# Altium PCB jarvis_mini.PcbDoc
Units mil, origin at the board's own origin, x right, y up, seen from the top; angles counter-clockwise.
Board outline 900 x 2000 mil, 2 copper layers (Top Layer, Bottom Layer); 56 components, 48 nets, 190 pads, 41 vias.
Unrouted connection lines stored in the file: 8.
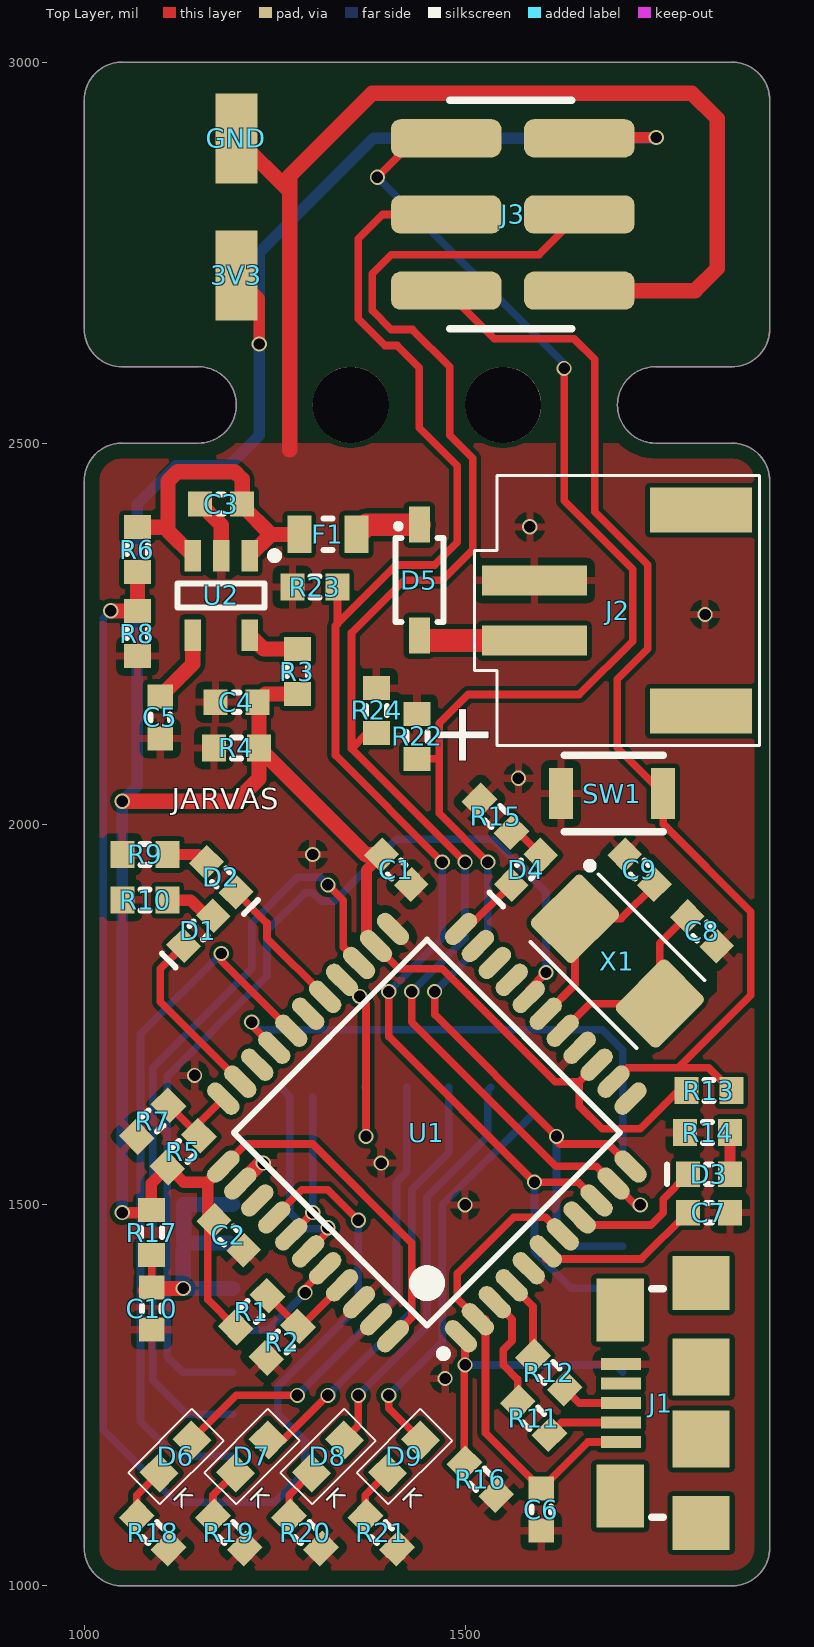
[diagram p0: Top Layer view]
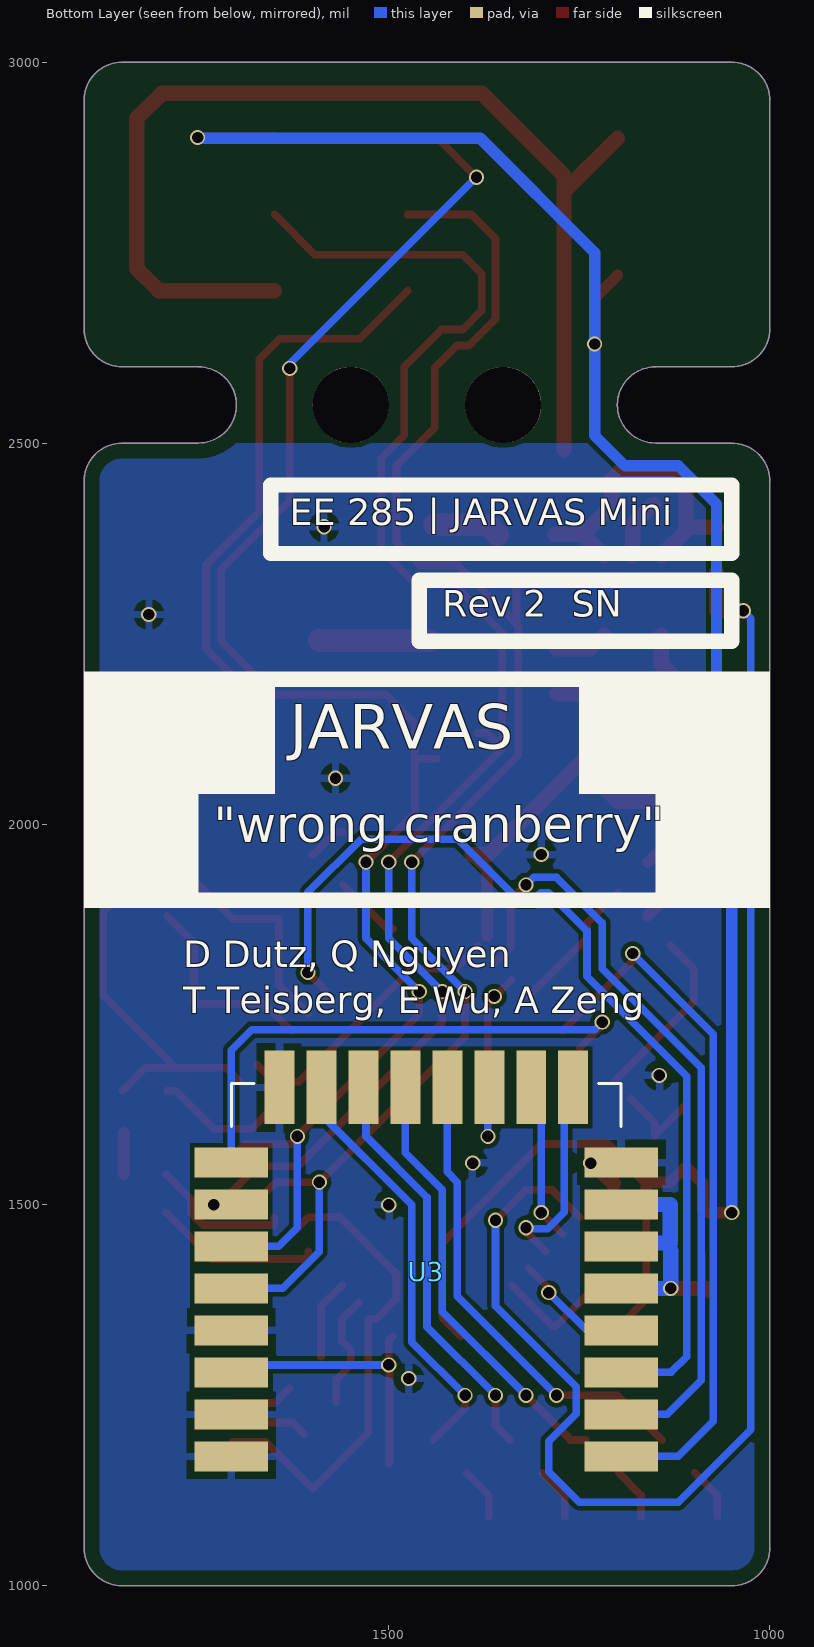
[diagram p1: Bottom Layer view, seen from below]
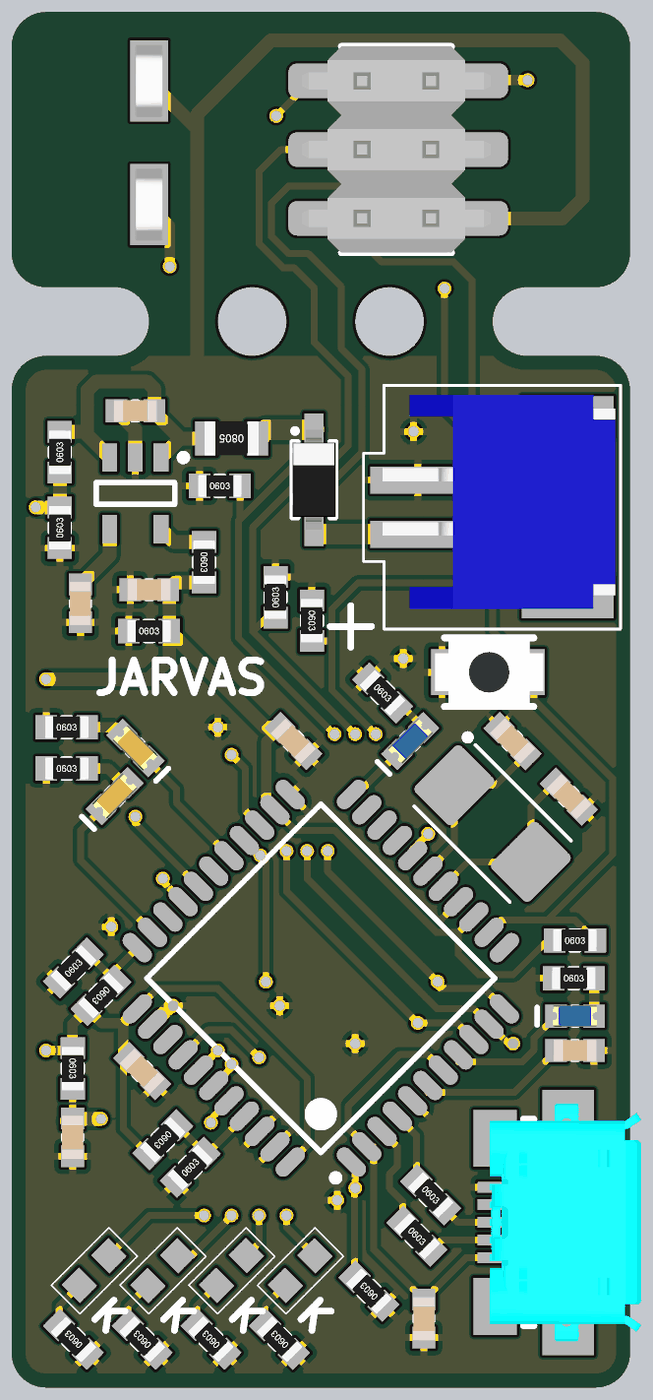
[diagram p2: 3D render of the assembled board from above, using the file's embedded part models]

## Layer stack, top to bottom
Top Solder: solder mask 0.4, Solder Resist, Dk 3.5
Top Layer: signal copper 1.4
Dielectric 1: dielectric 12.6, FR-4, Dk 4.8
Bottom Layer: signal copper 1.4
Bottom Solder: solder mask 0.4, Solder Resist, Dk 3.5

## Board outline
1050,1000 cw(c1050,1050) 1000,1050 1000,2450 cw(c1050,2450) 1050,2500 1150,2500 ccw(c1150,2550) 1200,2550 ccw(c1150,2550) 1150,2600 1050,2600 cw(c1050,2650) 1000,2650 1000,2950 cw(c1050,2950) 1050,3000 1850,3000 cw(c1850,2950) 1900,2950 1900,2650 cw(c1850,2650) 1850,2600 1750,2600 ccw(c1750,2550) 1700,2550 ccw(c1750,2550) 1750,2500 1850,2500 cw(c1850,2450) 1900,2450 1900,1050 cw(c1850,1050) 1850,1000

## Design rules (kind name [scope] priority, off if disabled: settings)
BoardOutlineClearance [All] p1: gap=20 ignorepadtopadclearanceinfootprint=FALSE
Clearance [All] p1: gap=6 ignorepadtopadclearanceinfootprint=FALSE except(0: Arc-Hole Track-Hole SMDPad-Hole THPad-Hole Via-Hole Fill-Hole Poly-Hole Region-Hole Text-Hole)
DiffPairsRouting [All] p1 off: maxlimit=10 minlimit=10 mostfreqgap=10 toplayer_minwidth=15 toplayer_maxwidth=15 toplayer_prefwidth=15 bottomlayer_minwidth=15 bottomlayer_maxwidth=15 bottomlayer_prefwidth=15 maxuncoupledlength=500
Height [All] p1 off: minheight=0 maxheight=1000 prefheight=500
HoleSize [All] p1: absolutevalues=TRUE maxlimit=1000 minlimit=10 maxpercent=80.000 minpercent=20.000
MatchedLengths DiffPair_MatchedLengths [InDifferentialPair ('USB')] p1: tolerance=1000 checknetsindiffpair=FALSE checkdiffpairvsdiffpair=TRUE checkxsignals=TRUE checkothers=TRUE
MaxMinImpedance [All] p1 off: minimum=1.000 maximum=100.0
MinimumSolderMaskSliver "M4 Exception" [InComponent('*1')] p1: minsoldermaskwidth=1 // Allows pins on the M4 to be close without errors
MinimumSolderMaskSliver [All] p2 off: minsoldermaskwidth=3.5
NetAntennae [All] p1: netantennaetolerance=15
PolygonConnect [All] p1: connectstyle=Relief reliefconductorwidth=10 reliefentries=4 polygonreliefangle="90 Angle" airgapwidth=10
RoutingVias [All] p1: holewidth=12 width=15 viastyle="Through Hole" minholewidth=12 minwidth=15 maxholewidth=15 maxwidth=20
SilkToSilkClearance [All] p1 off: silktosilkclearance=10
SilkToSolderMaskClearance [IsPad] p1 off: minsilkscreentomaskgap=10 clearancetoexposedcopper=TRUE
SolderMaskExpansion [All] p1: expansion=4
Width [(InDifferentialPairClass('All Differential Pairs'))] p1: maxlimit=10 minlimit=10 preferedwidth=10 impedancedriven=TRUE minimp=60.000000 maximp=60.000000 favimp=60.000000
Width Width_1 [All] p2: maxlimit=50 minlimit=6 preferedwidth=10
23 further rules are at their usual default settings.

## Components (designator, comment, footprint, x,y, rotation, side; value= is the part's Value field where it differs from the comment)
3V3 "TEST_KEYSTONE5015" TP_KEYSTONE_5015 1200,2720 r270 top
B1 "Banananannaa!" BANANA_OPEN 4550,3800 r270 bottom
C1 "__template_cap" C0603 1410,1940 r315 top
C2 "__template_cap" C0603 1190,1460 r315 top
C3 "__template_cap" C0603 1180,2420 r0 top
C4 "__template_cap" C0603 1200,2160 r0 top
C5 "__template_cap" C0603 1100,2140 r270 top
C6 "__template_cap" C0603 1600,1100 r270 top
C7 "__template_cap" C0603 1820,1490 r180 top
C8 "CAP_CER_8PF_100V" C0603 1811,1859 r315 top
C9 "CAP_CER_8PF_100V" C0603 1729,1940 r135 top
C10 "__template_cap" C0603 1088.72,1363.79 r270 top
D1 "LED" LED_0603P_ORANGE 1150,1860 r45 top
D2 "LED" LED_0603P_ORANGE 1180,1930 r135 top
D3 "LED_LBQ39G_BLUE" LED_0603P_BLUE 1820,1540 r0 top
D4 "LED_LBQ39G_BLUE" LED_0603P_BLUE 1580,1940 r45 top
D5 "SCHOTTKY_MBR0520L" SOD123 1440,2320 r90 top
D6 "LED" LED0603 1120,1170 r225 top
D7 "LED" LED0603 1220,1170 r225 top
D8 "LED" LED0603 1320,1170 r225 top
D9 "LED" LED0603 1420,1170 r225 top
F1 "FAST_MFU0805.50CT-ND" R0805 1320,2380 r180 top
GND "TEST_KEYSTONE5015" TP_KEYSTONE_5015 1200,2900 r270 top
J1 "CONN_USB_MICROAB_SMD_R/A" HIROSE_ZX62-AB-5PA 1810,1240 r90 top
J2 "CONN JST 2POS SMD" CONN_JST_PH_SM4_2PIN_RA 1660,2280 r270 top
J3 "CONN_2x3_15-91-2060" MOLEX_15-91-2060 1650,2900 r270 top
L1 "QUARTER" Quarter 2800,1650 r0 top
R1 "__template_resistor" R0603 1220,1360 r225 top
R2 "__template_resistor" R0603 1260,1320 r45 top
R3 "__template_resistor" R0603 1280,2200 r270 top
R4 "__template_resistor" R0603 1200,2100 r0 top
R5 "__template_resistor" R0603 1130,1570 r225 top
R6 "__template_resistor" R0603 1070,2360 r90 top
R7 "__template_resistor" R0603 1090,1610 r45 top
R8 "__template_resistor" R0603 1070,2250 r90 top
R9 "__template_resistor" R0603 1080,1960 r0 top
R10 "__template_resistor" R0603 1080,1900 r0 top
R11 "__template_resistor" R0603 1590,1220 r315 top
R12 "__template_resistor" R0603 1610,1280 r315 top
R13 "__template_resistor" R0603 1820,1650 r0 top
R14 "__template_resistor" R0603 1818.25,1595 r0 top
R15 "__template_resistor" R0603 1540,2010 r315 top
R16 "__template_resistor" R0603 1520,1140 r135 top
R17 "__template_resistor" R0603 1088.72,1463.79 r270 top
R18 "__template_resistor" R0603 1090,1070 r135 top
R19 "__template_resistor" R0603 1190,1070 r135 top
R20 "__template_resistor" R0603 1290,1070 r135 top
R21 "__template_resistor" R0603 1390,1070 r135 top
R22 "__template_resistor" R0603 1437,2115 r270 top
R23 "__template_resistor" R0603 1303,2311 r0 top
R24 "__template_resistor" R0603 1384,2149 r90 top
SW1 "SWITCH_SPST-NO" SWITCH_B3U-1000P 1760,2040 r180 top
U1 "MCU_ATMEGA32U4" 44TQFP10 1450,1595 r135 top
U2 "3.3V LDO" TSOT-23-5 1180,2300 r270 top
U3 "DWM1000" DW1000 1195,1170 r0 bottom
X1 "XTAL_NX5032GA" XTAL_NDK_NX5032 1700,1820 r315 top

## Footprints (in the part's own frame and the unit in brackets; to place one, negate y for a bottom-side part, rotate by r counter-clockwise, add the part's x,y. Pads: shape width x height; smd on the part's side, far side on the other; paste and mask are expansions set on the pad)
44TQFP10 [mm] "TQFP, 44-Leads, Body 12.0x12.0mm (max), Pitch 0.80mm, IPC High Density"
  oval 1.3x0.55 smd: 1(-5.6,4) 2(-5.6,3.2) 3(-5.6,2.4) 4(-5.6,1.6) 5(-5.6,0.8) 6(-5.6,0) 7(-5.6,-0.8) 8(-5.6,-1.6) 9(-5.6,-2.4) 10(-5.6,-3.2) 11(-5.6,-4) 23(5.6,-4) 24(5.6,-3.2) 25(5.6,-2.4) 26(5.6,-1.6) 27(5.6,-0.8) 28(5.6,0) 29(5.6,0.8) 30(5.6,1.6) 31(5.6,2.4) 32(5.6,3.2) 33(5.6,4)
  oval 0.55x1.3 smd: 12(-4,-5.6) 13(-3.2,-5.6) 14(-2.4,-5.6) 15(-1.6,-5.6) 16(-0.8,-5.6) 17(0,-5.6) 18(0.8,-5.6) 19(1.6,-5.6) 20(2.4,-5.6) 21(3.2,-5.6) 22(4,-5.6) 34(4,5.6) 35(3.2,5.6) 36(2.4,5.6) 37(1.6,5.6) 38(0.8,5.6) 39(0,5.6) 40(-0.8,5.6) 41(-1.6,5.6) 42(-2.4,5.6) 43(-3.2,5.6) 44(-4,5.6)
  silkscreen extent -5.72,-4.55 4.55,4.95, body extent -5,-5 5,5, height 1.2
BANANA_OPEN [mil] "Just a banana lol..."
  body extent -3233,-1683 3400,1569, height 1650
C0603 [mm] "Chip Capacitor, 2-Leads, Body 1.6x0.8mm, IPC High Density"
  rect 0.8x0.85 smd: 1(-0.7,0) 2(0.7,0)
  silkscreen extent -0.1,-0.33 0.1,0.33, body extent -0.8,-0.4 0.8,0.4, height 0.8
CONN_JST_PH_SM4_2PIN_RA [mm] "CONN HEADER JST PH SIDE 2POS 2MM SMD"
  rect 1.5x3.4 smd: 0(-3.35,3.8) 0(3.35,3.8)
  rect 1x3.5 smd: 1(1,-1.75) 2(-1,-1.75)
  silkscreen extent -4.5,-3.75 4.5,5.75, body extent -4.15,-3.05 3.75,5.55, height 5.5
DW1000 [mm] "DW1000 Module"
  rect 2.45x1 smd: 1(0,0) 2(0,-1.4) 3(0,-2.8) 4(0,-4.2) 5(0,-5.6) 6(0,-7) 7(0,-8.4) 8(0,-9.8) 17(13,-9.8) 18(13,-8.4) 19(13,-7) 20(13,-5.6) 21(13,-4.2) 22(13,-2.8) 23(13,-1.4) 24(13,0)
  rect 1x2.45 smd: 9(1.6,-12.3) 10(3,-12.3) 11(4.4,-12.3) 12(5.8,-12.3) 13(7.2,-12.3) 14(8.6,-12.3) 15(10,-12.3) 16(11.4,-12.3)
  silkscreen extent 0,-12.42 13,-11, body extent 0,-12.42 13,10.07, height 4
HIROSE_ZX62-AB-5PA [mm]
  rect 1.8x1.9 smd: 0(-4,0) 0(4,0)
  rect 2.1x1.6 smd: 0(-3.1,2.7) 0(3.1,2.7)
  rect 1.9x1.9 smd: 0(-1.2,0) 0(1.2,0)
  rect 0.4x1.35 smd: 1(-1.3,2.675) 2(-0.65,2.675) 3(0,2.675) 4(0.65,2.675) 5(1.3,2.675)
  silkscreen extent -3.81,1.27 3.81,1.65, body extent -4.4,-2.7 4.4,2.9, height 2.77
LED0603 [mm] "Chip Diode, 2-Leads, Body 1.60x0.80mm, IPC Medium Density"
  rect 0.9x0.95 smd: A(-0.775,0) K(0.775,0)
  silkscreen extent -1.5,-0.74 1.5,0.76, body extent -0.8,-0.4 0.8,0.4, height 0.8
LED_0603P_BLUE [mm]
  rect 0.8x0.85 smd: 1(-0.7,0) 2(0.7,0)
  silkscreen extent -1.4,-0.33 0.1,0.33, body extent -0.81,-0.4 0.81,0.4, height 0.6
LED_0603P_ORANGE [mm]
  rect 0.8x0.85 smd: 1(-0.7,0) 2(0.7,0)
  silkscreen extent -1.4,-0.33 0.1,0.33, body extent -0.81,-0.4 0.81,0.4, height 0.6
MOLEX_15-91-2060 [mm]
  rrect50% 1.27x3.68 smd: 1(0,0) 2(2.54,0) 3(5.08,0) 4(5.08,-4.44) 5(2.54,-4.44) 6(0,-4.44)
  silkscreen extent -1.27,-4.32 6.35,-0.25, body extent -1.27,-5.78 6.35,1.21, height 9.64
Quarter [mil] "Just a quarter lol (for scale in renderings)"
  body extent -476,-476 477,476, height 68
R0603 [mm] "Chip Resistor, 2-Leads, Body 1.6x0.8mm, IPC High Density"
  rect 0.8x0.9 smd: 1(-0.75,0) 2(0.75,0)
  silkscreen extent -0.15,-0.35 0.15,0.35, body extent -0.8,-0.4 0.8,0.4, height 0.45
R0805 [mm] "Chip Resistor, 2-Leads, Body 2.0x1.3mm, IPC High Density"
  rect 0.8x1.25 smd: 1(-0.95,0) 2(0.95,0)
  silkscreen extent -0.15,-0.53 0.15,0.53, body extent -1,-0.62 1,0.63, height 0.6
SOD123 [mm]
  rect 1.2x0.7 smd: 1(-1.85,0) 2(1.85,0)
  silkscreen extent -1.4,-0.8 1.85,0.8, body extent -1.85,-0.8 1.85,0.8, height 1.27
SWITCH_B3U-1000P [mm]
  rect 0.8x1.7 smd: 1(0,0) 2(3.4,0)
  silkscreen extent 0,-1.27 3.3,1.27, body extent -0.35,-1.25 3.65,1.25, height 1.6
TP_KEYSTONE_5015 [mm]
  rect 3x1.4 smd: 1(0,0)
  body extent -1.33,-0.51 1.33,0.51, height 1.52
TSOT-23-5 [mm] "SOT23, 5-Leads, Body 2.90x2.80mm, Pitch 0.95mm, IPC Medium Density"
  rect 1.05x0.55 smd: 1(-1.325,0.95) 2(-1.325,0) 3(-1.325,-0.95) 4(1.325,-0.95) 5(1.325,0.95)
  silkscreen extent -1.45,-1.45 0.4,1.9, body extent -0.8,-1.45 0.8,1.45, height 1
XTAL_NDK_NX5032 [mm]
  rrect20% 2x2.4 smd: 1(-2,0) 2(2,0)
  silkscreen extent -3,-1.6 2.5,1.7, body extent -2.5,-1.6 2.5,1.6, height 1.5

## Part data
3V3 GND: "PC TEST POINT MINIATURE SMT"
B1: library part BANANA, "Banana for scale"
C1 C2 C3 C6 C10: library part 587-1251-1-ND
C4: library part 587-1441-1-ND
C5: library part 399-1092-1-ND
C7: library part 478-1251-1-ND
D1 D2 D6 D7 D8 D9: library part LED_LTST-C190KFKT_ORANGE, "Orange 605nm LED Indication - Discrete 2V 0603 (1608 Metric)"
D3 D4: "Blue 470nm LED Indication - Discrete 2.85V 0603 (1608 Metric)"
D5: "DIODE SCHOTTKY 0.5A 20V SOD-123"
F1: "FUSE .50A 0805 VFAST SMD"
J1: "CONN RCPT MICRO USB AB SMD R/A"
J2: library part CONN_JST_2_PH, "CONN HEADER PH SIDE 2POS 2MM SMD"
J3: "CONN HEADER 6POS .100\" VERT TIN"
L1: "Quarter for scale"
R1 R6 R8: library part CRCW060347K0FKEA, "RES SMD 47K OHM 1% 1/10W 0603"
R2 R13: library part CRCW060310K0FKEA, "RES SMD 10K OHM 1% 1/10W 0603"
R3 R4 R5 R7 R17: library part CRCW06030000Z0EA, "RES SMD 0.0 OHM"
R9 R10 R14 R15 R18 R19 R20 R21: library part CRCW0603330RFKEA, "RES SMD 330 OHM 1% 1/10W 0603"
R11 R12 R22 R23 R24: library part CRCW060322R0FKEA, "RES SMD 22 OHM 1% 1/10W 0603"
R16: library part CRCW060322K0FKEA, "RES SMD 22K OHM 1% 1/10W 0603"
SW1: "SWITCH TACTILE SPST-NO 0.05A 12V"
U1: "IC MCU 8BIT 32KB FLASH 44TQFP"
U2: library part LDO_CAT6219_3V3, "Linear Voltage Regulator IC Positive Fixed 1 Output 3.3V 500mA TSOT-23-5"
X1: "CRYSTAL 8.00 MHZ 8PF SMD"

## Free pads (board coordinates)
  round 100 hole 100 unplated: 0(1350,2550) 0(1550,2550)

## Via types
v1: diameter 20, hole 15, Top Layer to Bottom Layer, 41 vias

## Nets (pads, with @x,y where several pads share a name; then routed paths per layer and width w, separated by ;. In a path a pad name is that pad's centre, name@x,y a point inside that pad or via, vN(x,y) a via of type N, cw(c..) or ccw(c..) an arc to the next point about the centre after c; other vN are vias at no path point)
3V3: 3V3.1 C1.1 C2.1 C4.2 J3.1 R1.2 R3.2 R4.2 R5.2 R13.1 R17.1 U1.14 U1.24 U1.34 U1.44 | length 4260.4
  Top Layer w10: C2.1@1162.29,1487.71 1162.29,1375.95 R1.2 ; U1.34 1212.29,1580 1300,1580 1430,1450 1430,1352.29 U1.44 ; U1.24 1413.17,1810 1470,1810 1618.49,1661.51 1650.14,1661.51 ; U1.14 1650.14,1661.51 ; R13.1 1780,1650 1730,1600 1680,1600 1650.14,1629.86 1650.14,1661.51
  Top Layer w15: v1(1050,1490) R17.1@1079.53,1490 ; R17.1@1088.24,1493.79 1088.24,1528.24 R5.2 1111.32,1549.12 1130.45,1530 1162.29,1530 ; C2.1@1162.29,1487.71 1162.29,1530 ; U1.34 1162.29,1530 ; 3V3.1 1230,2690 v1(1230,2630) ; U1.24@1370.69,1852.48 1370.69,1939.67 C1.1 ; J3.1 1651,2901 v1(1751,2901)
  Top Layer w20: v1(1050,2030) 1200,2030 1229.53,2059.53 R4.2 ; R3.2 1238.03,2170.47 1229.53,2161.97 R4.2 ; C1.1 1370.04,1959.49 R4.2
  Bottom Layer w15: v1(1050,1490) v1(1050,2030) 1070,2050 1070,2420 1120,2470 1190,2470 1230,2510 v1(1230,2630) 1230,2750 1380,2900 v1@1753,2900
D+: R12.1 U1.4 | length 105.2
  Top Layer w10: U1.4 1589.12,1366.79 R12.1
D-: R11.1 U1.3 | length 153.5
  Top Layer w10: U1.3 1561.66,1349.72 1561.66,1321.66 1550,1310 1550,1290 1569.12,1270.88 R11.1
DWM_CLK: J3.5 R23.2 U1.9 U3.20 | length 2058.3
  Top Layer w10: R23.2 1332.53,2262.53 ; v1(1400,1780) 1400,1721.14 v1(1591.14,1530) 1648.63,1530 U1.9 ; v1(1470,1950) 1330,2090 1330,2260 1332.53,2262.53 ; J3.5 1392,2800 1360,2768 1360,2663 1395,2628 1411,2628 1440,2599 1440,2520 1490,2470 1490,2370 1460,2340 1410,2340 1332.53,2262.53
  Bottom Layer w10: v1(1400,1780) 1470,1850 v1(1470,1950) ; v1(1591.14,1530) 1591.14,1438.86 1639.53,1390.47 U3.20
DWM_CS: U1.30 U3.17 | length 695.3
  Top Layer w10: v1(1220,1740) 1220,1735.92 U1.30
  Bottom Layer w10: v1(1220,1740) 1230,1730 1680,1730 1706.81,1703.19 U3.17
DWM_EXTON: U1.29 U3.1 | length 937.4
  Top Layer w10: v1(1180,1830) 1180,1820.46 U1.29
  Bottom Layer w10: v1(1180,1830) 1074,1724 1074,1216 1120,1170 U3.1
DWM_GPIO4: U1.26 U3.11 | length 283.4
  Top Layer w10: U1.26 1370,1764.08 v1(1370,1590)
  Bottom Layer w10: U3.11 1370,1652.48 v1(1370,1590)
  other v1: 1361.81,1773.76
DWM_GPIO5: U1.38 U3.10 | length 191.4
  Top Layer w10: U1.38 1300,1489.54 v1(1300,1490)
  Bottom Layer w10: v1(1300,1490) U3.10@1300,1641.14
DWM_GPIO6: U1.39 U3.9 | length 269.8
  Top Layer w10: U1.39 1320,1465 v1(1320,1470)
  Bottom Layer w10: U3.9 1270,1642.24 1270,1490.3 1291.3,1469 1319,1469 v1(1320,1470)
DWM_GPIO7: U1.40 U3.4 | length 158.3
  Top Layer w10: v1(1290,1385) 1290,1390.46 U1.40
  Bottom Layer w10: U3.4 1240.35,1335.35 v1(1290,1385)
DWM_IRQ: R16.2 U1.1 U3.22 | length 380.3
  Top Layer w10: U1.1 1500,1322.29 v1(1500,1290) 1499.12,1289.12 R16.2
  Bottom Layer w10: v1(1500,1290) 1697.05,1290 U3.22
DWM_MISO: J3.6 R22.2 U1.11 U3.19 | length 2184.4
  Top Layer w10: v1(1385,2849) 1436,2900 J3.6 ; R22.2 1465.53,2085.47 ; v1(1460,1780) 1460,1750 v1(1620,1590) 1620,1584.14 1624.14,1580 1687.71,1580 U1.11 ; v1(1530,1950) 1466,2014 1466,2132 1504,2170 1650,2170 1720,2240 1720,2334.14 1630,2424.14 v1(1630,2598)
  Bottom Layer w10: v1(1385,2849) 1630,2604 v1(1630,2598) ; v1(1460,1780) 1530,1850 v1(1530,1950) ; v1(1620,1590) 1620,1470.75 1620.38,1470.38 1620,1470 1644.41,1445.59 U3.19
DWM_MOSI: J3.2 R24.1 U1.10 U3.18 | length 1984.1
  Top Layer w10: R24.1 1371.47,2119.47 1351,2099 ; v1(1430,1780) 1430,1740 1619.24,1550.76 1672.41,1550.76 U1.10 1723.17,1500 v1(1730,1500) ; v1(1500,1950) 1351,2099 ; J3.2 1597,2747 1403,2747 1378,2722 1378,2674 1403,2649 1431,2649 1480,2600 1480,2510 1510,2480 1510,2360 1470,2320 1420,2320 1351,2251 1351,2099
  Bottom Layer w10: v1(1430,1780) 1500,1850 v1(1500,1950)
DWM_RST: U1.18 U3.3 | length 1308.2
  Top Layer w10: U1.18 1583.63,1782.46 v1(1606.24,1805.07)
  Bottom Layer w10: U3.3 1129.76,1280.24 1109,1301 1109,1669 1240,1800 1240,1860 1290,1910 1300.3,1910 1311.3,1899 1328.7,1899 1409.7,1980 1536.46,1980 1606.24,1910.22 v1(1606.24,1805.07)
DWM_WAKEUP: U1.25 U3.2 | length 1025.7
  Top Layer w10: v1(1320,1920) 1340,1900 1340,1838.63 U1.25
  Bottom Layer w10: U3.2 1134.88,1225.12 1090,1270 1090,1680 1220,1810 1220,1870 1280,1930 1310,1930 v1(1320,1920)
GND: C1.2 C2.2 C3.1 C4.1 C5.2 C6.2 C7.1 C8.2 C9.2 C10.2 GND.1 J1.5 J2.2 J3.3 R2.1 R4.1 R7.1 R8.1 R9.1 R10.1 R14.1 R15.1 R16.1 R18.1 R19.1 R20.1 R21.1 R22.1 R23.1 R24.2 SW1.2 U1.5 U1.15 U1.23 U1.35 U1.42 U1.43 U2.2 U3.8 U3.16 U3.21 U3.23 U3.24 | length 1588.7
  Top Layer w20: C3.1 1180,2392.44 U2.2 ; GND.1 1270,2830 ; U1.35 1231.83,1555 v1(1235,1555) ; 1270,2491 1270,2830 ; J3.3 1802,2700 1831,2729 1831,2926 1798,2959 1378,2959 1270,2851 1270,2830
  other v1: 1473.84,1272.2 1500,1500 1390,1555 1145,1670 1300,1960 1570,2060 1815,2275 1585,2390
HWB: R5.1 R7.2 U1.33 | length 118.4
  Top Layer w10: R7.2 R5.1 1150.88,1607.67 U1.33
NetC3_2: C3.2 F1.2 R6.2 U2.1 U2.3 | length 418.2
  Top Layer w20: R6.2 1105.24,2389.53 ; U2.3 1110,2384.76 1110,2450 1122.44,2462.44 1197.56,2462.44 1207.56,2452.44 C3.2 1207.56,2417.68 1245.24,2380 ; U2.1 1245.24,2380 ; F1.2 1245.24,2380
NetC5_1: C5.1 U2.4 | length 97.9
  Top Layer w20: C5.1 1142.6,2210.16 U2.4
NetC7_2: C7.2 U1.6 | length 221.8
  Top Layer w10: U1.6 1605.9,1429.11 1731.55,1429.11 C7.2
NetC8_1: C8.1 U1.16 X1.2 | length 271.6
  Top Layer w10: U1.16 1663.86,1764.32 X1.2 1755.68,1843.63 C8.1@1791.03,1878.97
NetC9_1: C9.1 U1.17 X1.1 | length 264.4
  Top Layer w10: U1.17 1644.32,1789.32 X1.1 1704.65,1875.68 C9.1@1749.49,1920.51
NetC10_1: C10.1 R17.2 U3.5 U3.6 U3.7 | length 383.5
  Top Layer w10: C10.1 R17.2
  Top Layer w20: C10.1@1080,1387.56 1082.91,1390.47 v1(1130,1390.47)
  Bottom Layer w20: 1130,1440 v1(1130,1390.47) U3.5 ; U3.6@1190.59,1450 1130.71,1450 1130.71,1500.71 U3.7
NetD1_A: D1.2 U1.32 | length 59.5
  Top Layer w15: 1109.53,1900 1140,1900 D1.2@1160.51,1879.49
NetD1_K: D1.1 R10.2 | length 234.8
  Top Layer w10: D1.1 1100,1810 1100,1766.83 1205.02,1661.81
NetD2_A: D2.2 U1.27 | length 55.3
  Top Layer w15: 1109.53,1960 1150,1960 D2.2
NetD2_K: D2.1 R9.2 | length 185.8
  Top Layer w10: D2.1 1240,1870 1240,1850 1316.37,1773.63 1316.37,1773.17
NetD3_1: D3.1 R14.2 | length 54.8
  Top Layer w15: 1847.78,1540.22 R14.2
NetD4_1: D4.1 R15.2 | length 52.6
  Top Layer w10: R15.2 1569.85,1989.12 1599.49,1959.49 1601.25,1959.49
NetD5_1: D5.1 J2.1 | length 144.6
  Top Layer w30: D5.1@1446.54,2240.63 J2.1
NetD6_A: D6.A U3.12 | length 626.3
  Top Layer w10: D6.A 1200,1250 v1(1280,1250)
  Bottom Layer w10: v1(1280,1250) 1410,1380 1410,1530 1423.35,1543.35 U3.12
NetD6_K: D6.K R18.2 | length 69.7
  Top Layer w10: R18.2 1069.12,1119.12 D6.K
NetD7_A: D7.A U3.13 | length 572.5
  Top Layer w10: D7.A 1261.58,1191.58 v1(1320,1250)
  Bottom Layer w10: v1(1320,1250) 1430,1360 1430,1520 1478.46,1568.46 U3.13
NetD7_K: D7.K R19.2 | length 69.7
  Top Layer w10: R19.2 1169.12,1119.12 D7.K
NetD8_A: D8.A U3.14 | length 542.2
  Top Layer w10: D8.A 1360,1210 v1(1360,1250)
  Bottom Layer w10: v1(1360,1250) 1450,1340 1450,1510 1530,1590 1530,1650.67 U3.14
NetD8_K: D8.K R20.2 | length 69.7
  Top Layer w10: R20.2 1269.12,1119.12 D8.K
NetD9_A: D9.A U3.15 | length 522.5
  Top Layer w10: v1(1400,1250) 1400,1233.15 D9.A
  Bottom Layer w10: v1(1400,1250) 1470,1320 1470,1500 U3.15@1588.7,1618.7
NetD9_K: D9.K R21.2 | length 69.7
  Top Layer w10: R21.2 1369.12,1119.12 D9.K
NetJ1_2: J1.2 R11.2 | length 100.1
  Top Layer w10: R11.2 1626.17,1214.41 J1.2
NetJ1_3: J1.3 R12.2 | length 81.7
  Top Layer w10: R12.2 1650,1240 J1.3
NetR1_1: R1.1 R2.2 U1.41 | length 136.6
  Top Layer w10: R1.1 R2.2 1284.96,1340.88 U1.41
NetR3_1: R3.1 U2.5 | length 70.2
  Top Layer w20: U2.5 1235.71,2229.53 R3.1
RST: J3.4 R13.2 SW1.1 U1.13 | length 1494
  Top Layer w10: J3.4 1538.2,2637 1643,2637 1670,2610 1670,2410 1740,2340 1740,2230 1700,2190 1700,2100 SW1.1 1760,2000 1875,1885 1875,1775 1780,1680 ; U1.13 1713.17,1680 1780,1680 ; R13.2 1819.53,1680 1780,1680
RX_LED: D4.2 U1.22 | length 90.1
  Top Layer w10: U1.22 1502.25,1862.25 1560.51,1920.51
TX_LED: D3.2 U1.8 | length 189.8
  Top Layer w10: U1.8 1650.44,1473.65 1743.65,1473.65 1760,1490 1760,1507.56 1792.44,1540
UVCC: C6.1 J1.1 U1.2 U1.7 | length 642.1
  Top Layer w10: U1.7 1605.6,1483.94 1563.94,1483.94 1490,1410 1490,1376.83 U1.2 1526.81,1350.02 1526.81,1200.75 C6.1 1661.26,1188.82 J1.1
VBAT: D5.2 F1.1 | length 87.9
  Top Layer w30: F1.1 1370.24,2392.83 D5.2
VBAT_MEAS: R6.1 R8.2 U1.37 | length 2016.2
  Top Layer w10: U1.37 1285.92,1520 1320,1520 v1(1360,1480)
  Top Layer w20: v1@1035.47,2279.53 R8.2 R6.1
  Bottom Layer w10: v1(1035,2280) 1025,2270 1025,1205 1120,1110 1250,1110 1290,1150 1290,1190 1254.23,1225.77 1254.23,1261.54 1360,1367.31 v1(1360,1480)
pads on no net: J1.0 J1.4 J2.0 U1.12 U1.19 U1.20 U1.21 U1.28 U1.31 U1.36

## Polygon pours and split planes (outlines as drawn)
GND on Top Layer "Top GND" (solid, remove dead copper, pour order 0): 1000,1050 1000,2450 cw(c1050,2450) 1050,2500 1850,2500 cw(c1850,2450) 1900,2450 1900,1050 cw(c1850,1050) 1850,1000 1050,1000 cw(c1050,1050)
GND on Bottom Layer "Bottom GND" (solid, remove dead copper, pour order 1): 1000,1050 1000,2450 cw(c1050,2450) 1050,2500 1850,2500 cw(c1850,2450) 1900,2450 1900,1050 cw(c1850,1050) 1850,1000 1050,1000 cw(c1050,1050)

## Keep-outs
Keep-Out Layer:
  the board outline again, w1

## Other copper
Top Layer:
  pour cut-out: 1600,1730 1620,1710 1630,1710 1630,1714.6 1664.16,1748.75 1672.91,1740 1690,1740 1740,1690 1830.7,1780.7 1830.7,1819.3 1805,1835 1830.7,1877.11 1747.62,1960.18 1746.23,1958.79 1673.4,1958.79 1673.4,1956.96 1581.14,1864.7 1633.11,1812.73 1633.11,1793.11 1590,1750

## Silkscreen, mask and mechanical layers (free items; w line width, h text height)
Top Overlay:
  text "JARVAS" at 1115,2010 h47.24
Bottom Overlay:
  rectangle: 1000,2180 1900,2200
  rectangle: 1000,1890 1900,1910
  region: 1250,2190 1250,2040 1150,2040 1150,1900 1080,1900 1000,1900 1000,2190
  region: 1650,2190 1650,2040 1750,2040 1750,1900 1900,1900 1900,2190
  lines w20: 1050,2240 1050,2320 1460,2320 1460,2240 1050,2240 ; 1050,2355 1050,2445 1655,2445 1655,2355 1050,2355
  text "EE 285 | JARVAS Mini" at 1630,2380 h60
  text "SN" at 1260,2260 h60
  text "Rev 2" at 1430,2260 h60
  text "JARVAS" at 1630,2080 h100
  text "\"wrong cranberry\"" at 1730,1960 h80
  text "D Dutz, Q Nguyen / T Teisberg, E Wu, A Zeng" at 1770,1740 h60

## Text inside footprints (layer, text, board x,y; h text height)
D6: Top Overlay "K" at 1109.39,1109.9 h39.37 r315
D7: Top Overlay "K" at 1209.39,1109.9 h39.37 r315
D8: Top Overlay "K" at 1309.39,1109.9 h39.37 r315
D9: Top Overlay "K" at 1409.39,1109.9 h39.37 r315
J1: Mechanical 13 "Board edge" at 1855,1150 h40 r90
J2: Top Overlay "+" at 1463.15,2161.89 h78.74 r270